# Altium PCB JacdacMicroBitBackPackHi 119.PcbDoc (continued)
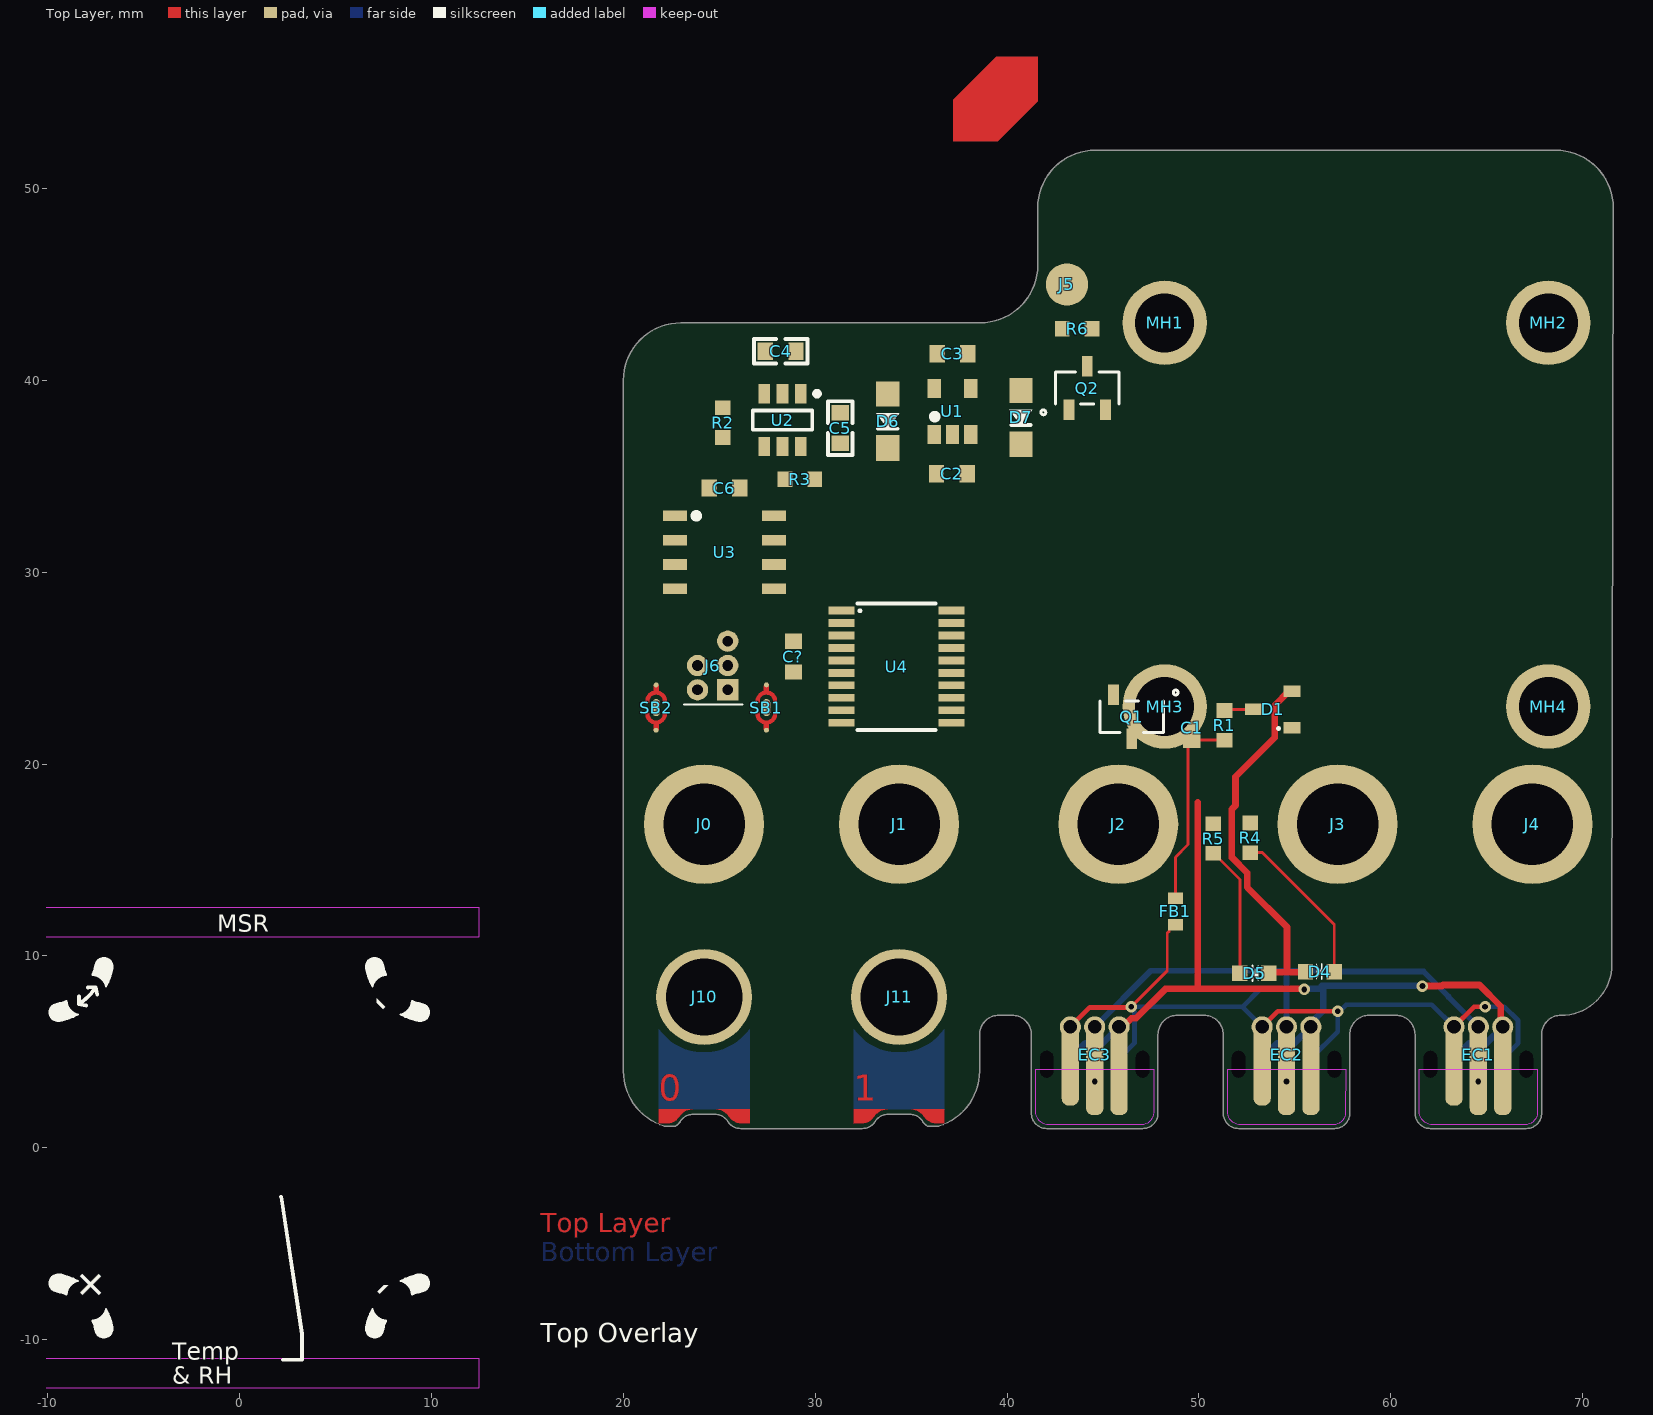
[diagram p0: Top Layer view]
## Footprints (in the part's own frame and the unit in brackets; to place one, negate y for a bottom-side part, rotate by r counter-clockwise, add the part's x,y. Pads: shape width x height; smd on the part's side, far side on the other; paste and mask are expansions set on the pad) (continued)
  silkscreen extent -95,-55 65,33, body extent -60,-52 60,52, height 44
"TDK MPZ1608 0.8mm - without outline" [mm]
  rect 0.6x0.8 smd paste-0.1: 1(-0.7,0) 2(0.7,0)
  body extent -0.8,-0.4 0.8,0.4, height 0.8
ThreeWaySolderBlob [mil] "Three way open solder blob, 'ball and socket' style"
  round 1 smd paste-10 mask-1: 1(-19.93,0.05) 1(-16.39,-3.5) 1(-16.39,3.6) 3(76.31,-3.55) 3(76.31,3.55) 3(79.86,0)
  oval 10x10.01 smd paste-10 mask-2: 1(-16.56,0.08) 3(76.49,-0.03)
  oval 35x16 smd: 2(30,0)
  Top Layer region: 74.84,5.01 77.02,4.52 78.76,3.13 79.73,1.12 79.73,-1.12 78.76,-3.13 77.02,-4.52 74.84,-5.01 74.84,-5.02 64.28,-5.02 60,-13.79 52.36,-19.85 42.84,-22.01 42.84,-22.02 41.3,-21.71 40,-20.84 39.13,-19.54 38.83,-18 38.82,-18 39.13,-16.46 40,-15.16 41.3,-14.29 42.84,-13.99 42.84,-13.99 48.19,-12.92 52.73,-9.89 55.76,-5.35 56.83,0 56.82,0 55.76,5.35 52.73,9.89 48.19,12.92 42.84,13.99 42.84,13.98 41.3,14.29 40,15.16 39.13,16.46 38.83,18 38.82,18 39.13,19.54 40,20.84 41.3,21.71 42.84,22.01 42.84,22.01 52.36,19.85 60,13.79 64.28,5.02 64.28,5.01
  Top Layer region: -14.92,-3.79 -16.39,-3.5 -17.63,-2.66 -18.47,-1.42 -18.76,0.05 -18.76,0.05 -18.47,1.52 -17.63,2.77 -16.39,3.6 -14.92,3.89 -14.92,3.89 -13.45,3.6 -12.2,2.77 -11.37,1.52 -11.08,0.05 -11.08,0.05 -11.37,-1.42 -12.2,-2.66 -13.45,-3.5 -14.92,-3.79
  Top Layer region: -14.92,-4.96 -17.09,-4.47 -18.84,-3.08 -19.81,-1.07 -19.81,1.17 -18.84,3.18 -17.09,4.57 -14.92,5.07 -14.92,5.07 -4.35,5.07 -0.08,13.84 7.57,19.9 17.08,22.07 17.08,22.07 18.62,21.76 19.92,20.89 20.79,19.59 21.1,18.05 21.1,18.05 20.79,16.51 19.92,15.21 18.62,14.34 17.08,14.04 17.08,14.04 11.73,12.97 7.19,9.94 4.16,5.4 3.1,0.05 3.1,0.05 4.16,-5.3 7.19,-9.84 11.73,-12.87 17.08,-13.93 17.08,-13.93 18.62,-14.24 19.92,-15.11 20.79,-16.41 21.1,-17.95 21.1,-17.95 20.79,-19.49 19.92,-20.79 18.62,-21.66 17.08,-21.96 17.08,-21.96 7.57,-19.8 -0.08,-13.74 -4.35,-4.96 -4.35,-4.96
  Top Layer region: 74.84,3.84 76.31,3.55 77.56,2.72 78.39,1.47 78.68,0 78.68,0 78.39,-1.47 77.56,-2.72 76.31,-3.55 74.84,-3.84 74.84,-3.84 73.37,-3.55 72.12,-2.72 71.29,-1.47 71,0 71,0 71.29,1.47 72.12,2.72 73.37,3.55 74.84,3.84
TI-TPS2553 [mm] "SOT23, 6-Leads, Body 2.90x2.80mm, Pitch 0.95mm, IPC Medium Density"
  rect 1x0.6 smd: 1(-1.375,0.95) 2(-1.375,0) 3(-1.375,-0.95) 4(1.375,-0.95) 5(1.375,0) 6(1.375,0.95)
  silkscreen extent -1.5,-1.55 0.5,1.93, body extent -1.52,-1.52 1.53,1.53, height 1.1
"TVS 0402 - XL" [mm] "TVS 0402 RoHS"
  rect 0.6x0.7 smd paste-0.06 mask+0.05: 1(-0.45,0) 2(0.45,0)
  body extent -0.5,-0.3 0.5,0.3, height 0.5

## Part data
C1: library part CC0603JRNPO9BN330, "33pF 0603 100V C0G/NPO", Capacitance=33pF, Case Code (Imperial)=0603, Case Code (Metric)=1608, Dielectric=C0G, Manufacturer=Yageo, Max Operating Temperature=125°C, Min Operating Temperature=-55°C, Tolerance=5%, Voltage Rating=100V, Case/Package=0603, Category="Ceramic Capacitors", ComponentLink1Description="Online datasheet", ComponentLink1URL=https://datasheet.ciiva.com/13207/upy-gp-np0-16v-to-50v-8-13207786.pdf, Composition=Ceramic, Depth=0.8mm, Height=0.8mm, Lead Free="Lead Free", Length=1.6mm, Manufacturer 1=Yageo, Manufacturer Part Number=CC0603JRNPO9BN330, Manufacturer Part Number 1=CC0603JRNPO9BN330, Mount="Surface Mount", Packaging="Tape and Reel", RoHS=Yes, Supplier 1=Digi-Key, Termination=SMD/SMT, Thickness=0.035inch, Voltage Rating (DC)=100V, Weight=7.1E-05oz, Width=0.8mm
C2 C3 C6 C?: library part CL10A105KO8NNNC, "SMD Multilayer Ceramic Capacitor, 1 µF, 16 V, 0603 [1608 Metric], ± 10%, X5R, CL Series", Capacitance=1uF, Case Code (Imperial)=0603, Case Code (Metric)=1608, Dielectric=X5R, Manufacturer=Samsung, Max Operating Temperature=85°C, Min Operating Temperature=-55°C, Package Quantity=1, Supplier Part Number 1=1276-1034-1-ND, Tolerance=10%, Voltage=16V, Case/Package=0603, Category="Ceramic Capacitors", ComponentLink1Description="Online datasheet", ComponentLink1URL=https://datasheet.lcsc.com/lcsc/1811021622_Samsung-Electro-Mechanics-CL10A105KO8NNNC_C1592.pdfq, Construction=Flat, Contact Plating=Tin, Depth=0.8mm, Height=0.8mm, Lead Free="Lead Free", Length=1.6mm, Manufacturer 1=Samsung, Manufacturer Part Number=CL10A105KO8NNNC, Manufacturer Part Number 1=CL10A105KO8NNNC, Material=Ceramic, Mount="Surface Mount", Packaging="Tape and Reel", Pricing 1="1=0.10000, 10=0.03600, 50=0.01960, 100=0.01600, 500=0.01144, 1000=0.00898 (USD)", Radiation Hardening=No, RoHS=Yes, RoHS Compliant=Yes, Series=CL, Stock 1=3575337, Supplier 1=Digi-Key, Supplier 2=Farnell, Supplier 3=RSComponents, Supplier 4=Mouser, Supplier 5=LCSC, Supplier Part Number 2=3013384, Supplier Part Number 3=7664780, Supplier Part Number 4=187-CL10A105KO8NNNC, Supplier Part Number 5=C1592, Thickness=0.035inch, Voltage Rating=16V, Voltage Rating (DC)=16V, Width=0.031inch
C4 C5: "CAP CER 4.7UF 10V X5R 0603", Capacitance=4.7uF, Case Code (Imperial)=0603, Case Code (Metric)=1608, Dielectric=X5R, Manufacturer=Samsung, Max Operating Temperature=85°C, Min Operating Temperature=-55°C, Package Quantity=1, Supplier Part Number 1=3013398, Tolerance=10%, Voltage Rating=10V, Case/Package=0603, Category="Ceramic Capacitors", Checked By=?, ComponentLink1Description="Online datasheet", ComponentLink1URL=https://datasheet.ciiva.com/25797/cl10a475kp8nnnc-25797520.pdf, Construction=Flat, Contact Plating=Tin, Created By="D Gakure", Depth=0.8mm, Height=0.8mm, Length=1.6mm, Manufacturer Part Number=CL10A475KP8NNNC, Mount="Surface Mount", Packaging="Tape and Reel", Pricing 1="10=0.02700, 100=0.02160, 500=0.01580, 1000=0.01310, 2000=0.01130 (GBP)", Pricing 2="1=0.10000, 10=0.04900, 50=0.02680, 100=0.02180, 500=0.01558, 1000=0.01224 (USD)", Radiation Hardening=No, RoHS=Yes, RoHS Compliant=Yes, Series=CL, Stock 1=75690, Supplier 1=Farnell, Supplier 2=Digi-Key, Supplier Part Number 2=1276-1044-1-ND, Thickness=0.035inch, Width=0.031inch
D1: "DIODE ARRAY SCHOTTKY 30V SOT23", Manufacturer=Nexperia, Manufacturer Part Number=BAT54S,235, Supplier Part Number 1=1727-1868-1-ND, Category="Rectifier Diodes", ComponentLink1Description="NXP datasheet online", ComponentLink1URL=https://assets.nexperia.com/documents/data-sheet/BAT54_SER.pdf, Manufacturer 1=Nexperia, Manufacturer Part Number 1=BAT54S,235, Pricing 1="1=0.13000, 10=0.11900, 100=0.05610, 500=0.03326, 1000=0.02185, 5000=0.02138 (USD)", RoHS=No, Stock 1=14011, Supplier 1=Digi-Key, Supplier 2=Mouser, Supplier 3=RSComponents, Supplier Part Number 2=771-BAT54S235, Supplier Part Number 3=1707990
D2 D3: "Bidirectional 5V (Max) 6V 16V 3.5A (8/20us) 0402 TVS RoHS", Manufacturer="Born Semiconductor", Package=0402, Supplier1 Part Number=C316043, Checked By=?, ComponentLink1Description="Online datasheet", ComponentLink1URL=https://datasheet.lcsc.com/szlcsc/Bourne-Semicon-Shenzhen-RCLAMP0521P-N_C316043.pdf, Created By="D Gakure", Manufacturer 1="Born Semiconductor", Manufacturer Part Number=RCLAMP0521P-N, Manufacturer Part Number 1=RCLAMP0521P-N, Supplier1=LCSC
D4: library part 19-217/S2C-AQ1R1B/3T, "LED ORANGE DIFFUSED 0603 SMD", Case Code (Imperial)=0603, Color=Orange, Manufacturer="Everlight Elec", Supplier 1 Part Number=C146215, Case/Package=0603, Colour=Orange, ComponentLink1Description="Online datasheet", ComponentLink1URL=https://datasheet.lcsc.com/lcsc/1912171731_Everlight-Elec-19-217-S2C-AQ1R1B-3T_C146215.pdf, Manufacturer Part Number=19-217/S2C-AQ1R1B/3T, Mount="Surface Mount", Supplier 1=LCSC
D5: library part 19-217/GHC-YR1S2/3T, "LED GREEN DIFFUSED 0603 SMD", Case Code (Imperial)=0603, Color=Green, Manufacturer="Everlight Elec", Supplier 1 Part Number=C72043, Case/Package=0603, Colour=Green, ComponentLink1Description="Online datasheet", ComponentLink1URL=https://datasheet.lcsc.com/lcsc/1811101510_Everlight-Elec-19-217-GHC-YR1S2-3T_C72043.pdf, Manufacturer Part Number=19-217/GHC-YR1S2/3T, Mount="Surface Mount", Supplier 1=LCSC
D6 D7: "NEXPERIA - PMEG2010ER,115 - DIODE, RECT SCH, 20V, 1A, SOD123W", Manufacturer=Nexperia, Supplier Part Number 1=1727-5192-1-ND, ComponentLink1Description="Online datasheet", ComponentLink1URL=http://www.farnell.com/datasheets/1383341.pdf, Manufacturer Part Number=PMEG2010ER,115, Pricing 1="1=0.42000, 10=0.31300, 100=0.19480, 500=0.13328, 1000=0.10252 (USD)", Pricing 2="3000=0.20000, 6000=0.16300, 9000=0.16200, 12000=0.16100, 15000=0.16000 (USD)", Pricing 3="50=0.32100, 100=0.26700, 250=0.21200, 500=0.11100, 1000=0.08200 (USD)", Pricing 4="1=0.37000, 10=0.25700, 50=0.25700, 100=0.13400, 1000=0.09400, 10000=0.07200 (USD)", Pricing 5="5=0.40400, 10=0.27600, 100=0.13400, 500=0.11500, 1000=0.07750 (GBP)", RoHS=Yes, RoHS Compliant=Yes, Stock 1=722, Stock 2=144000, Stock 3=1, Stock 4=2146, Stock 5=24250, Supplier 1=Digi-Key, Supplier 2="Future Electronics", Supplier 3=RSComponents, Supplier 4=Mouser, Supplier 5=Farnell, Supplier Part Number 2=4222907, Supplier Part Number 3=8166824P, Supplier Part Number 4=771-PMEG2010ER115, Supplier Part Number 5=1907681
EC1 EC2 EC3: library part "Jacdac edge connector", "3 pin Jacdac edge connector 1.27mm pitch", Manufacturer Part Number=JACDAC_EDGE_CONNECTOR, Checked By=?, ComponentLink1Description="Yuliang JACDAC cable connector drawing online", ComponentLink1URL=https://github.com/microsoft/jacdac-mdk/blob/main/connector/JACDAC-Connector-by-Yuliang-2020-11-28.pdf, ComponentLink2Description="JACDAC PCB edge connector spec onlin", ComponentLink2URL=https://github.com/microsoft/jacdac-mdk/blob/main/connector/JACDAC_PCB_Edge_Connector_Drawing_JD-PEC-01_rev_01.pdf, Created By="D. Gakure", PCB Type="1.6mm FR4"
FB1: "0603 1k@100MHz 0.8A chip", Case Code (Imperial)=0603, Case Code (Metric)=1608, Current Rating=800mA, DC Resistance (DCR)=300mR, Manufacturer=TDK, Manufacturer Part Number=MPZ1608S102ATA00, Package Quantity=4000, Supplier Part Number 1=445-8694-1-ND, Tolerance=25%, Case/Package=0603, ComponentLink2Description="datasheet online", ComponentLink2URL=https://www.mouser.co.uk/datasheet/2/400/eads_commercial_power_mpz1608_en-923650.pdf, ComponentLink3Description=datasheet, ComponentLink3URL="Y:\System\Altium\Libraries 2014\TDK\Datasheets\eads_commercial_power_mpz1608_en-923650.pdf", Core Material=Ferrite, Height=0.037inch, Impedance="1kR @ 100MHz", Length=0.063inch, Manufacturer 1=TDK, Manufacturer Part Number 1=MPZ1608S102ATA00, Max DC Current=800mA, Mount="Surface Mount", Packaging="Tape and Reel", Pricing 1="1=0.1, 10=0.079, 25=0.0716, 50=0.0644, 100=0.0472, 250=0.03432, 500=0.03146, 1000=0.02717 (USD)", Stock 1=113542, Supplier 1=Digi-Key, Supplier 2=Mouser, Supplier Part Number 2=810-MPZ1608S102ATA00, Width=0.031inch
J0 J1 J3 J4: library part SMTSO-M3-3ET, "Standoff Round Swage F/F M3 X 0.5-THD Carbon Steel Electro-Tin ASTM B545 Automotive", Manufacturer=PennEngineering, Supplier Part Number 1=153-SMTSO-M3-3ET, Diameter=M3, Manufacturer 1=PennEngineering, Manufacturer Part Number=SMTSO-M3-3ET, Manufacturer Part Number 1=SMTSO-M3-3ET, RoHS=No, Standoff Height=3mm, Supplier 1=Mouser
J2: library part SMTSO-M3-2ET, "Standoff Round Swage F/F M3 X 0.5-THD Carbon Steel Electro-Tin ASTM B545 Automotive", Manufacturer=PennEngineering, Supplier Part Number 1=153-SMTSO-M3-2ET, Diameter=M3, Manufacturer 1=PennEngineering, Manufacturer Part Number=SMTSO-M3-2ET, Manufacturer Part Number 1=SMTSO-M3-2ET, RoHS=No, Standoff Height=2mm, Supplier 1=Mouser
J5: library part HARWIN-P70-1000045R, "Spring Loaded Contact, Pin, 2.9mm, SMT", Current Rating=2A, Manufacturer=Harwin, Manufacturer Part Number=P70-1000045R, Supplier Part Number 1=952-3127-1-ND, Category=Connectors, ComponentLink1Description="Harwin drawing online", ComponentLink1URL=https://cdn.harwin.com/pdfs/P70-10X.pdf, ComponentLink2Description="Harwin catalogue page online", ComponentLink2URL=http://www.farnell.com/datasheets/2151575.pdf, Length=3.5mm, Manufacturer 1=Harwin, Manufacturer Part Number 1=P70-1000045R, Material=Brass, Mount="Surface Mount", Plating=Gold, Pricing 1="1=1.02000, 10=0.85900, 25=0.82400, 50=0.80660, 100=0.77150, 250=0.70140, 500=0.63126 (USD)", REACH SVHC="No SVHC", RoHS=Yes, RoHS Compliant=Yes, Stock 1=1152, Supplier 1=Digi-Key, Supplier 2=Farnell, Supplier 3=Mouser, Supplier Part Number 2=2664910, Supplier Part Number 3=855-P70-1000045R, Working Height=2.9mm
J6: library part HACK_CONNECT_MINI
J10: library part "micro:bit edge connector ring P0", "One ring like those on the micro:bit edge connector, designed to take a 4mm banana plug"
J11: library part "micro:bit edge connector ring P1", "One ring like those on the micro:bit edge connector, designed to take a 4mm banana plug"
MH1 MH2 MH3 MH4: "Mounting Hole 7.0mm keepout, 4.4mm annualar ring and 3.1mm Drill PTH", Annular Ring=4.4mm, Hole Clearance=7.0mm, Hole Diameter=3.1mm, Hole Size=M3, Hole Type=PTH
Q1 Q2: "MOSFET Transistor, N Channel, 300 mA, 60 V, 2 ohm, 10 V, 2.5 V", Case/Package=SOT-23, Continuous Drain Current (ID)=300mA, Drain to Source Breakdown Voltage=60V, Drain to Source Resistance=2R, Gate to Source Voltage (Vgs)=20V, Input Capacitance=50pF, Manufacturer="ON Semiconductor / Fairchild", Max Operating Temperature=150°C, Max Power Dissipation=350mW, Min Operating Temperature=-55°C, Package Quantity=1, Supplier Part Number 1=2N7002KCT-ND, Threshold Voltage=2.5V, Category=MOSFETs, Checked By=?, ComponentLink1Description="Online datasheet", ComponentLink1URL=https://www.onsemi.com/pdf/datasheet/2n7002k-d.pdf, Contact Plating=Tin,Matte, Created By="D. Gakure", Drain to Source Voltage (Vdss)=60V, Drain-source On Resistance-Max=2R, Element Configuration=Single, Height=1.2mm, Lead Free="Lead Free", Length=2.92mm, Manufacturer Part Number=2N7002K, Mount="Surface Mount", Number of Elements=1, Number of Pins=3, On-State Resistance=2R, Packaging="Tape and Reel", Polarity=N-CHANNEL, Power Dissipation=350mW, Pricing 1="1=0.40000, 10=0.32500, 25=0.27240, 100=0.17240, 500=0.11344, 1000=0.07714 (USD)", Pricing 2="1=0.40000, 10=0.27300, 50=0.27300, 100=0.13400, 1000=0.07800, 10000=0.05100 (USD)", Pricing 3="5=0.34800, 10=0.23500, 100=0.09100, 500=0.05850, 3000=0.04630, 9000=0.03860, 24000=0.03750, 45000=0.03530 (GBP)", Radiation Hardening=No, Rds On Max=2R, REACH SVHC="No SVHC", RoHS=Yes, Stock 1=53564, Stock 2=111825, Stock 3=101059, Supplier 1=Digi-Key, Supplier 2=Mouser, Supplier 3=Farnell, Supplier Part Number 2=512-2N7002K, Supplier Part Number 3=2453382, Turn-Off Delay Time=30ns, Turn-On Delay Time=5ns, Voltage=60V, Width=1.3mm
R1 R2: library part RC0603FR-07220RL, "Res Thick Film 0603 220 Ohm 1% 0.1W(1/10W) ±100ppm/°C Pad SMD T/R", Case Code (Imperial)=0603, Case Code (Metric)=1608, Manufacturer="= Manufacturer 1", Manufacturer 1=Yageo, Manufacturer Part Number="= Manufacturer Part Number 1", Max Operating Temperature=155°C, Max Power Dissipation=100mW, Min Operating Temperature=-55°C, Package Quantity=1, Resistance Tolerance=1%, Resistor Type="Thick Film", Supplier Part Number 1=311-220HRCT-ND, Temperature Coefficient=100ppm/°C, Voltage Rating=50V, Case/Package=0603, Category="Chip SMD Resistors", ComponentLink4Description="online datasheet", ComponentLink4URL=https://datasheet.ciiva.com/46395/443971-46395002.pdf, Construction=Rectangular, Depth=0.8mm, Features="Moisture Resistant", Height=0.022inch, Lead Free="Lead Free", Length=1.6mm, Manufacturer Part Number 1=RC0603FR-07220RL, Military Standard=Not, Number of Pins=2, Number of Terminations=2, Packaging="Tape and Reel", Power Rating=100mW, Pricing 1="1=0.10000, 10=0.02300, 100=0.00930, 1000=0.00417, 2500=0.00362 (USD)", REACH SVHC="No SVHC", Resistance=220R, RoHS=Yes, RoHS Compliant=Yes, Series=RC, Size Code=0603, Stock 1=1257522, Supplier 1=Digi-Key, Supplier 2=Farnell, Supplier 3=Mouser, Supplier 4=RSComponents, Supplier Part Number 2=2421863, Supplier Part Number 3=603-RC0603FR-07220RL, Supplier Part Number 4=1995497, Termination=SMD/SMT, Tolerance=1%, Voltage Rating (DC)=50V, Width=0.031inch
R3: library part RC0603FR-0728K7L, "Res Thick Film 0603 28.7k Ohm 1% 0.1W(1/10W) ±100ppm/C Pad SMD T/R", Case Code (Imperial)=0603, Case Code (Metric)=1608, Manufacturer=Yageo, Max Operating Temperature=155°C, Max Power Dissipation=100mW, Min Operating Temperature=-55°C, Package Quantity=1, Resistance=28.7kR, Resistor Type="Thick Film", Supplier Part Number 1=311-28.7KHRCT-ND, Temperature Coefficient=100ppm/°C, Tolerance=1%, Voltage Rating=50V, Case/Package=0603, Category="Chip SMD Resistors", ComponentLink5Description="onilne datasheet", ComponentLink5URL=https://datasheet.ciiva.com/2553/pyu-r-int-thick-7-2553533.pdf, Construction=Rectangular, Depth=0.8mm, Features="Moisture Resistant", Height=0.022inch, Lead Free="Lead Free", Length=1.6mm, Manufacturer 1=Yageo, Manufacturer Part Number=RC0603FR-0728K7L, Manufacturer Part Number 1=RC0603FR-0728K7L, Military Standard=Not, Mount="Surface Mount", Number of Terminations=2, Packaging="Tape and Reel", Power Rating=100mW, Pricing 1="1=0.10000, 10=0.02300, 100=0.00930, 1000=0.00417, 2500=0.00362 (USD)", RoHS=Yes, RoHS Compliant=Yes, Series=RC, Size Code=0603, Stock 1=276730, Supplier 1=Digi-Key, Supplier 2=Farnell, Supplier 3=Mouser, Supplier 4=RSComponents, Supplier Part Number 2=3951071, Supplier Part Number 3=603-RC0603FR-0728K7L, Supplier Part Number 4=505-1003, Technology="THICK FILM", Termination=SMD/SMT, Voltage Rating (DC)=50V, Width=0.031inch
R4 R5: library part RC0603FR-071KL, "Res Thick Film 0603 1K Ohm 1% 1/10W ±100ppm/°C Molded SMD SMD Paper T/R", Case Code (Imperial)=0603, Case Code (Metric)=1608, Manufacturer="= Manufacturer 1", Manufacturer 1=Yageo, Manufacturer Part Number="= Manufacturer Part Number 1", Max Operating Temperature=155°C, Max Power Dissipation=100mW, Min Operating Temperature=-55°C, Resistance=1kR, Resistance Tolerance=1%, Resistor Type="Thick Film", Supplier Part Number 1=311-1.00KHRCT-ND, Temperature Coefficient=100ppm/°C, Voltage Rating=50V, Case/Package=0603, Category="Chip SMD Resistors", ComponentLink4Description="online datasheet", ComponentLink4URL=https://datasheet.ciiva.com/46395/443971-46395002.pdf, Construction=Rectangular, Contact Plating=Tin,Matte, Depth=0.8mm, Features="Moisture Resistant", Height=0.45mm, Lead Free="Lead Free", Length=1.6mm, Manufacturer Part Number 1=RC0603FR-071KL, Military Standard=Not, Number of Terminations=2, Packaging="Tape and Reel", Power Rating=100mW, Pricing 1="1=0.10000, 10=0.02300, 100=0.00930, 1000=0.00417, 2500=0.00362 (USD)", Radiation Hardening=No, REACH SVHC="No SVHC", RoHS=Yes, RoHS Compliant=Yes, Series=RC, Size Code=0603, Stock 1=7298696, Supplier 1=Digi-Key, Supplier 2=Farnell, Supplier 3=Mouser, Supplier 4=RSComponents, Supplier Part Number 2=2421849, Supplier Part Number 3=603-RC0603FR-071KL, Supplier Part Number 4=1995478, Technology="THICK FILM", Termination=SMD/SMT, Tolerance=1%
R6: "RES SMD 20 OHM 1% 1/10W 0603", Case Code (Imperial)=0603, Case Code (Metric)=1608, Manufacturer=Yageo, Max Operating Temperature=155°C, Max Power Dissipation=100mW, Min Operating Temperature=-55°C, Package Quantity=1, Resistance=20R, Resistance Tolerance=1%, Resistor Type="Thick Film", Supplier Part Number 1=311-20.0HRCT-ND, Temperature Coefficient=100ppm/°C, Voltage Rating=50V, Working Voltage=75V, Case/Package=0603, Category="Chip SMD Resistors", ComponentLink1Description="Online datasheet", ComponentLink1URL=https://datasheet.ciiva.com/11819/0900766b80f96399-11819290.pdf, Construction=Rectangular, Created By="D. Gakure", Depth=0.8mm, Features="Moisture Resistant", Height=0.45mm, Lead Free="Lead Free", Length=1.6mm, Manufacturer Part Number=RC0603FR-0720RL, Military Standard=Not, Number of Terminations=2, Packaging="Tape and Reel", Power Rating=100mW, Pricing 1="1=0.10000, 10=0.02100, 100=0.00840, 1000=0.00379, 2500=0.00329 (USD)", Pricing 2="1=0.10000, 10=0.01800, 50=0.01800, 100=0.00600, 1000=0.00500, 10000=0.00300 (USD)", Pricing 3="10=0.01820, 100=0.00650, 500=0.00550, 1000=0.00450, 2500=0.00390, 5000=0.00360, 25000=0.00330 (GBP)", REACH SVHC="No SVHC", RoHS=Yes, RoHS Compliant=Yes, Series=RC, Stock 1=2002412, Stock 2=238682, Stock 3=229990, Supplier 1=Digi-Key, Supplier 2=Mouser, Supplier 3=Farnell, Supplier Part Number 2=603-RC0603FR-0720RL, Supplier Part Number 3=3495766, Technology="THICK FILM", Termination=SMD/SMT, Tolerance=1%, Voltage Rating (DC)=50V, Width=0.8mm
SB1 SB2: library part ThreeWaySolderBlob
U1: "6V 260mV @ 200mA(typ) - - Fixed 3.3V SOT-23-5 Linear Voltage Regulators (LDO) ROHS", Case/Package=SOT-23-5, Dropout Voltage=200mV, Manufacturer="MICRONE(Nanjing Micro One Elec)", Max Input Voltage=6, Min Output Voltage=3.3V, Output Current=500mA, Supplier Part Number=C82942, Category="Voltage Regulators - Linear", ComponentLink3Description="On Semi datasheet online", ComponentLink3URL=https://datasheet.lcsc.com/lcsc/1811131510_MICRONE-Nanjing-Micro-One-Elec-ME6211C33M5G-N_C82942.pdf, Created=DG, Manufacturer 1="MICRONE(Nanjing Micro One Elec)", Manufacturer Part Number=ME6211C33M5G-N, Manufacturer Part Number 1=ME6211C33M5G-N, Mount="Surface Mount", Number of Regulators=1, Output Configuration=Positive, Output Type=Fixed, Pricing 1="1=0.33000, 10=0.24900, 25=0.21760, 100=0.12440, 250=0.11664, 500=0.09330, 1000=0.07153 (USD)", Stock 1=32529, Supplier 1=LCSC
U2: "IC PWR SWITCH N-CHAN 1:1 SOT23-6", Case/Package=SOT-23, Manufacturer="Texas Instruments", Max Input Voltage=6.5V, Max Operating Temperature=85°C, Max Power Dissipation=625mW, Min Input Voltage=2.5V, Min Operating Temperature=-40°C, On-State Resistance=85mR, Output Current=1.5A, Package Quantity=1, Supplier Part Number 1=296-32464-1-ND, Category="Hot Swap Controllers", ComponentLink1Description="Online datasheet", ComponentLink1URL=https://datasheet.ciiva.com/15108/getdatasheetpartid-297517-15108509.pdf, Lead Free="Lead Free", Manufacturer Part Number=TPS2553DBVR, Max Supply Voltage=6.5V, Min Supply Voltage=2.5V, Number of Outputs=1, Number of Pins=6, Packaging="Tape and Reel", Pricing 1="1=1.20000, 10=1.07100, 25=1.01640, 100=0.78050, 250=0.68972, 500=0.65340, 1000=0.50820 (USD)", Radiation Hardening=No, REACH SVHC="No SVHC", RoHS=Yes, Stock 1=14713, Supplier 1=Digi-Key, Supplier 2=Farnell, Supplier 3=Mouser, Supplier Part Number 2=3124082, Supplier Part Number 3=595-TPS2553DBVR, Weight=0.00127oz
U3: library part PFS122-SO8, "8bit MTP MCU with 12-bit ADC", Manufacturer=PADAUK, Package=SOP-8, ComponentLink1Description="Online datasheet", ComponentLink1URL=http://www.padauk.com.tw/upload/doc/PFS122%20datasheet_EN_V001_20220518.pdf, Manufacturer Part Number=PFS122-S08
U4: "ARM® Cortex®-M0+ series IC 64MHz 32KB 20-TSSOP", Manufacturer 1=STMicroelectronics, Supplier Part Number 1=497-STM32G030F6P6-ND, Supplier Part Number 10=C724040, Category=Microcontrollers, ComponentLink1Description="Online datasheet", ComponentLink1URL=https://www.st.com/resource/en/datasheet/stm32g030f6.pdf, ComponentLink2Description="Online reference manual", ComponentLink2URL=https://www.st.com/resource/en/reference_manual/rm0454-stm32g0x0-advanced-armbased-32bit-mcus-stmicroelectronics.pdf, Manufacturer Part Number 1=STM32G030F6P6, Pricing 1="1=1.85000, 10=1.65300, 74=1.56905, 148=1.28892, 296=1.20486, 444=1.06475, 962=0.93400 (USD)", RoHS=Yes, RoHS Compliant=Yes, Supplier 1=Digi-Key, Supplier 2=Farnell, Supplier 3=Mouser, Supplier 10=LCSC, Supplier Part Number 2=3294301, Supplier Part Number 3=511-STM32G030F6P6

## Via types
v1: diameter 0.6, hole 0.3, Top Layer to Bottom Layer, 5 vias
v2: diameter 0.6, hole 0.3, Top Layer to Bottom Layer, tented both sides, 3 vias

## Nets (pads, with @x,y where several pads share a name; then routed paths per layer and width w, separated by ;. In a path a pad name is that pad's centre, name@x,y a point inside that pad or via, vN(x,y) a via of type N, cw(c..) or ccw(c..) an arc to the next point about the centre after c; other vN are vias at no path point)
3V3: C?.2 D1.2 D4.2 D5.2 J6.1 U4.4 | length 19.2
  Top Layer w0.35: D5.2 53.676,9.14 54.596,9.14 ; D1.2 54.703,23.802 53.955,23.054 53.955,21.38 51.91,19.335 51.91,17.843 51.717,17.651 51.717,15.131 52.524,14.325 52.524,13.573 54.596,11.501 54.596,9.14 ; D4.2 55.516,9.14 54.596,9.14
AN: U4.12
GND: C1.1 C2.1 C3.1 C4.1 C5.1 C6.1 C?.1 D1.1 D2.2 D3.2 EC1.2 EC2.2 EC3.2 J4.1 J6.3 MH2.1 MH4.1 Q1.2 Q2.2 R3.1 U1.2 U2.2 U3.8 U4.5 | length 25.4
  Bottom Layer w0.3: EC3.2@44.569,6.3 47.494,9.225 D2.2@53.236,9.225 ; D2.2 53.876,9.15 53.957,9.231 54.261,9.231 54.596,9.231 ; EC2.2@54.569,6.3 54.569,9.203 54.596,9.231 ; EC1.2@64.569,6.3 63.012,7.857 63.012,7.885 61.716,9.181 56.457,9.181 D3.2 54.596,9.231
  other v2: 44.569,3.45 54.569,3.45 64.569,3.45
ICPCK/SWCLK: J6.4 U3.6 U4.19
ILIM_EN: Q1.1 R2.1 U3.5
INT: U4.3
JD_DATA: D2.1 EC1.1 EC2.1 EC3.1 FB1.1 MH1.1 | length 44
  Top Layer w0.15: v1(46.474,7.347) 48.352,9.225 48.352,11.185 48.456,11.289 48.456,11.389 48.681,11.614 FB1.1
  Top Layer w0.25: EC3.1@43.299,6.3 44.31,7.311 46.438,7.311 v1(46.474,7.347) ; EC2.1@53.299,6.3 54.111,7.112 v1(57.237,7.112) ; EC1.1@63.299,6.3 64.346,7.347 v1(64.916,7.347)
  Bottom Layer w0.25: EC3.1@45.839,3.65 45.839,4.65 46.639,5.45 46.639,7.088 46.474,7.253 v1(46.474,7.347) 52.252,7.347 ; D2.1 53.186,8.25 52.283,7.347 52.252,7.347 ; EC2.1@53.299,6.3 52.252,7.347 ; EC2.1@55.839,3.65 55.839,4.65 57.237,6.048 v1(57.237,7.112) 57.332,7.112 57.675,7.455 62.144,7.455 EC1.1@63.299,6.3 ; v1(64.916,7.347) 65.923,7.347 66.639,6.631 66.639,5.45 65.839,4.65 EC1.1@65.839,3.65
JD_DATA_MCU/ICPDA: D1.3 J2.1 J6.2 R1.2 U3.2 U4.20 | length 1.5
  Top Layer w0.15: R1.2 51.392,22.852 D1.3
JD_PWR: C2.2 D3.1 D6.1 EC1.3 EC2.3 EC3.3 MH3.1 U1.1 U1.3 | length 47.7
  Top Layer w0.35: EC3.3@45.839,6.3 46.042,6.3 46.489,6.747 46.723,6.747 48.256,8.281 49.94,8.281 ; 49.94,18.006 49.94,8.281 ; v1(55.489,8.251) 55.459,8.281 49.94,8.281 ; v1(61.656,8.428) 62.672,8.428 62.73,8.487 64.626,8.487 65.737,7.375 65.737,6.402 EC1.3@65.839,6.3
  Bottom Layer w0.35: EC3.3@43.299,3.4 43.299,4.65 44.099,5.45 44.989,5.45 EC3.3@45.617,6.078 ; EC3.3@45.839,6.3 EC3.3@45.983,6.444 ; EC2.3@53.299,3.4 53.299,4.65 54.099,5.45 54.989,5.45 55.839,6.3 55.839,6.503 56.481,7.145 D3.1@56.481,8.359 ; v1(55.489,8.251) 55.529,8.291 56.367,8.291 D3.1 ; D3.1@56.4,8.44 61.644,8.44 v1(61.656,8.428) ; EC1.3@63.299,3.4 63.299,4.65 64.099,5.45 64.989,5.45 EC1.3@65.839,6.3
JD_STATUS/ICVPP: J6.5 R4.2 U3.3 U4.2
MISO: U4.13
NetC1_2: C1.2 FB1.2 R1.1 | length 10.3
  Top Layer w0.15: FB1.2 48.781,15.138 49.441,15.799 49.441,21.077 49.492,21.128 C1.2 ; C1.2@49.619,21.245 R1.1
NetC3_2: C3.2 D7.2 U1.5
NetC5_2: C5.2 D6.2 U2.6
NetD4_1: D4.1 R4.1 | length 8.4
  Top Layer w0.15: R4.1 53.312,15.38 57.057,11.635 D4.1
NetD5_1: D5.1 R5.1 | length 6.8
  Top Layer w0.15: R5.1 50.78,15.341 52.136,13.985 D5.1
NetJ0_1: J0.1 J10.1
NetJ1_1: J1.1 J11.1
NetQ1_3: Q1.3 R5.2
NetQ2_3: Q2.3 R6.1
NetR2_2: R2.2 U2.3 U2.4
NetR3_2: R3.2 U2.5
nRESET: U4.6
PWM: U4.11
RGB_B: U4.1
RGB_G: U4.14
RGB_R: U4.15
RST: U4.7
RX/CS: U4.10
SCK: U4.8
SCL: U4.16
SDA: U4.17
SWDIO: U4.18
TX/MOSI: U4.9
USB_KEEP_ALIVE: Q2.1 U3.7
VBIT: C6.2 D7.1 J3.1 U3.1
VUSB: C4.2 J5.1 R6.2 U2.1
pads on no net: EC1. EC2. EC3. SB1.1 SB1.2 SB1.3 SB2.1 SB2.2 SB2.3 U1.4 U3.4

## Polygon pours and split planes (outlines as drawn)
no net on Bottom Assy "NONET_L-01_P-001" (hatched 45Degree grid 0.3 track 0.01): -6.5,11 ccw(c-6.5,12) -5.5,12 -5.5,12.25 cw(c-5.25,12.25) -5.25,12.5 10,12.5 cw(c10,10) 12.5,10 12.5,7.554 12.503,7.554 cw(c10,10) 6.646,11
no net on Bottom Assy "NONET_L-01_P-001" (hatched 45Degree grid 0.15 track 0.01): 8.342,12.5 ccw(c10,10) 12.5,8.342 12.5,10 ccw(c10,10) 10,12.5
no net on Bottom Assy "NONET_L-01_P-001" (hatched 45Degree grid 0.15 track 0.01): 8.342,-12.5 10,-12.5 ccw(c10,-10) 12.5,-10 12.5,-8.342 ccw(c10,-10)
no net on Bottom Assy "NONET_L-01_P-001" (hatched 45Degree grid 0.15 track 0.01): -12.5,-8.342 cw(c-10,-10) -8.342,-12.5 -10,-12.5 cw(c-10,-10) -12.5,-10
no net on Bottom Assy "NONET_L-01_P-001" (hatched 45Degree grid 0.15 track 0.01): -12.5,8.342 ccw(c-10,10) -8.342,12.5 -10,12.5 ccw(c-10,10) -12.5,10
no net on Bottom Assy "NONET_L-01_P-001" (hatched 45Degree grid 0.15 track 0.01): -13.6,-2.468 ccw(c-13.2,-2.468) -13.2,-2.868 -9.3,-2.868 -9.3,2.874 -13.198,2.874 -13.2,2.874 ccw(c-13.2,2.474) -13.6,2.474 -13.6,2.477
GND on Bottom Layer "NONET_L-01_P-001" (solid, pour order 0): -12.5,-7 cw(c-11.5,-7) -11.5,-6 -9.1,-6 ccw(c-9.1,-5) -8.1,-5 -8.1,-4.3 ccw(c-9.1,-4.3) -9.1,-3.3 -13.2,-3.3 cw(c-13.2,-2.5) -14,-2.5 -14,2.5 cw(c-13.2,2.5) -13.2,3.3 -9.1,3.3 -9.098,3.3 ccw(c-9.098,4.3) -8.098,4.3 -8.1,4.3 -8.1,5 ccw(c-9.1,5) -9.1,6 -11.5,6 cw(c-11.5,7) -12.5,7 -12.5,10 cw(c-10,10) -10,12.5 -7.75,12.5 cw(c-7.75,12.25) -7.5,12.25 -7.5,12 ccw(c-6.5,12) -6.5,11 ccw(c-6.5,13.5) -5.7,11.131 -5.698,11.126 cw(c0,0) 4.947,11.48 4.946,11.479 ccw(c5.369,12.385) 6.112,11.716 6.11,11.718 6.6,12.21 6.593,12.207 cw(c7.3,11.5) 7.3,12.5 10,12.5 cw(c10,10) 12.5,10 12.5,7.3 cw(c11.5,7.3) 12.207,6.593 12.21,6.6 11.718,6.11 11.716,6.112 ccw(c12.385,5.369) 11.479,4.946 11.48,4.947 cw(c0,0) 11.48,-4.947 11.479,-4.946 ccw(c12.385,-5.369) 11.716,-6.112 11.718,-6.11 12.21,-6.6 12.207,-6.593 cw(c11.5,-7.3) 12.5,-7.3 12.5,-10 cw(c10,-10) 10,-12.5 7.3,-12.5 cw(c7.3,-11.5) 6.593,-12.207 6.6,-12.21 6.11,-11.718 6.112,-11.716 ccw(c5.369,-12.385) 4.946,-11.479 4.947,-11.48 cw(c0,0) -4.904,-11.498 -4.946,-11.479 ccw(c-5.369,-12.385) -6.112,-11.716 -6.11,-11.718 -6.6,-12.21 -6.593,-12.207 cw(c-7.3,-11.5) -7.3,-12.5 -10,-12.5 cw(c-10,-10) -12.5,-10
no net on Fabrication Notes "NONET_L-01_P-001" (hatched 45Degree grid 0.6 track 0.01): -14.5,-7 -8,-7 -7.988,-7 -7.989,7.01 -8,7 -14.5,7 -14.489,7.01

## Keep-outs
Keep-Out Layer:
  region: 12.5,11 12.5,12.5 -12.6,12.5 -12.6,11
  region: 12.5,-12.5 12.5,-11 -12.5,-11 -12.5,-12.5

## Other copper
Top Layer:
  region net JD_DATA: 37.194,52.454 39.509,52.454 41.609,54.554 41.609,56.87 39.425,56.87 37.194,54.639
  text "Top Layer" at 15.701,-4.75 h1.7
Bottom Layer:
  text "Bottom Layer" at 15.7,-6.25 h1.7

## Silkscreen, mask and mechanical layers (free items; w line width, h text height)
Top Overlay:
  lines w0.1: -9.398,-6.607 cw(c-10.024,-10) -8.423,-6.944 ccw(c-8.229,-7.72) -9.026,-7.653 ; -9.398,6.607 ccw(c-10.024,10) -8.423,6.944 cw(c-8.229,7.72) -9.026,7.653 ; -9.376,-6.612 ccw(c-9.469,-7.052) -9.563,-7.492 cw(c-10.024,-10) -9.051,-7.643 ; -9.376,6.612 cw(c-9.469,7.052) -9.563,7.492 ccw(c-10.024,10) -9.051,7.643 ; -7.677,-9.003 ccw(c-7.744,-8.206) -6.967,-8.399 cw(c-10.024,-10) -6.631,-9.374 ; -7.677,9.003 cw(c-7.744,8.206) -6.967,8.399 ccw(c-10.024,10) -6.631,9.374 ; -7.666,-9.027 cw(c-10.024,-10) -7.516,-9.539 ccw(c-7.075,-9.446) -6.635,-9.352 ; -7.666,9.027 ccw(c-10.024,10) -7.516,9.539 cw(c-7.075,9.446) -6.635,9.352 ; 6.583,-9.374 cw(c9.976,-10) 6.92,-8.399 ; 6.583,9.374 ccw(c9.976,10) 6.92,8.399 ; 6.588,-9.352 ccw(c7.028,-9.446) 7.468,-9.539 cw(c9.976,-10) 7.619,-9.027 ; 6.588,9.352 cw(c7.028,9.446) 7.468,9.539 ccw(c9.976,10) 7.619,9.027 ; 6.92,-8.399 ccw(c7.696,-8.206) 7.629,-9.003 ; 6.92,8.399 cw(c7.696,8.206) 7.629,9.003 ; 8.979,-7.653 ccw(c8.182,-7.72) 8.376,-6.944 cw(c9.976,-10) 9.35,-6.607 ; 8.979,7.653 cw(c8.182,7.72) 8.376,6.944 ccw(c9.976,10) 9.35,6.607 ; 9.003,-7.643 cw(c9.976,-10) 9.515,-7.492 ccw(c9.422,-7.052) 9.328,-6.612 ; 9.003,7.643 ccw(c9.976,10) 9.515,7.492 cw(c9.422,7.052) 9.328,6.612
  lines w0.2: -8.376,7.884 -8.39,7.484 ; -7.997,7.408 -8.39,7.484 ; -7.907,8.345 -7.508,8.366 ; -7.424,7.975 -7.508,8.366 ; 2.161,-2.552 3.25,-9.7 3.25,-11.05 2.25,-11.05 ; -8.39,7.484 ccw(c-10.024,10) -7.508,8.366
  lines w0.33: -9.124,-7.445 cw(c-8.783,-7.302) -8.708,-6.94 ; -9.124,7.445 ccw(c-8.783,7.302) -8.708,6.94 ; -7.469,-9.1 ccw(c-7.326,-8.759) -6.963,-8.685 ; -7.469,9.1 cw(c-7.326,8.759) -6.963,8.685 ; 6.916,-8.685 ccw(c7.278,-8.759) 7.421,-9.1 ; 6.916,8.685 cw(c7.278,8.759) 7.421,9.1 ; 8.661,-6.94 cw(c8.735,-7.302) 9.076,-7.445 ; 8.661,6.94 ccw(c8.735,7.302) 9.076,7.445
  lines w1: -9.454,-7.055 cw(c-10.024,-10) -9.309,-7.086 ; -9.454,7.055 ccw(c-10.024,10) -9.309,7.086 ; -7.11,-9.285 cw(c-10.024,-10) -7.078,-9.43 ; -7.11,9.285 ccw(c-10.024,10) -7.078,9.43 ; 7.031,-9.43 cw(c9.976,-10) 7.062,-9.285 ; 7.031,9.43 ccw(c9.976,10) 7.062,9.285 ; 9.261,-7.086 cw(c9.976,-10) 9.406,-7.055 ; 9.261,7.086 ccw(c9.976,10) 9.406,7.055
  text "MSR" at -1.172,11.27 h0.9
  text "-" at 8.619,8.146 h3.5 r135
  text "-" at 8.122,-8.643 h3.5 r45
  text "+" at -7.973,-8.67 h2.8 r315
  text "Top Overlay" at 15.701,-10.475 h1.7
  text "Temp" at -3.524,-11.05 h0.9
  text "& RH" at -3.524,-12.3 h0.9
Bottom Overlay:
  drawing of 248 lines, arcs and shapes, not listed
  text "-" at 8.643,8.146 h3.5 r135
  text "Bottom Overlay" at 24.3,-4.775 h1.7
  text "'.ProjectCodename'" at 9.275,-6.527 h1
  text "'.ProjectCodenameID'-'.ProjectRevision'" at 3.55,-8.25 h1
  text "-" at 8.146,-8.643 h3.5 r45
  text "+" at -7.95,-8.67 h2.8 r315
Top Paste:
  text "Top Paste" at 24.301,-6.182 h1.7
Bottom Paste:
  text "Bottom Paste" at 24.3,-7.66 h1.7
Top Solder:
  text "Top Solder (resist)" at 24.301,-8.982 h1.7
Bottom Solder:
  text "Bottom Solder (resist)" at 24.3,-10.473 h1.7
Drill Guide:
  text "Drill Guide" at 37.725,-8.985 h1.7
Mechanical 1:
  lines w0.2: 39.594,31.764 45.746,37.916 51.898,31.764 45.746,25.612 39.594,31.764
Dimension:
  text "Dimension" at 37.725,-7.685 h1.7
Fabrication Notes:
  lines w0.01: -14.5,-7 -8,-7 ; -14.5,7 -8,7 ; -14.489,7.01 -14.488,-7 ; -7.989,7.01 -7.988,-7
  lines w0.2: -16.25,-0.2 -12.4,-2.5 -10.65,-2.5 ; -16.25,0.2 -12.4,2.5 -10.65,2.5 ; -16.25,6 -14.5,6 ; -16.24,-10.737 0,-6.644 0,-2.7
  text "no board edge pips/ / rat's teeth/mouse bites  / in this region - make  / sure board edge is clean" at -32.397,4 h1.7
  text "non-plated slots x2" at -27.221,-0.407 h1.7
  text "Fabrication Notes" at 37.725,-4.785 h1.7
  text "\"horseshoe shaped\" / board cut-out" at -27.617,-11.8 h1.7
Mechanical 9:
  circle w0.2: c34.37,16.86 r2.5
  circle w0.2: c24.21,16.86 r2.5
  circle w0.2: c57.23,16.86 r2.5
  circle w0.2: c67.39,16.86 r2.5
  circle w0.2: c45.8,16.86 r2.5
  circle w0.2: c43.125,45 r0.5
  lines w0.01: 25.77,-8.595 ccw(c23.445,-8.55) 25.77,-8.55
  lines w0.1: 22.731,10.127 22.138,10.127 cw(c23,13) 20,13 20,49 cw(c23,49) 23,52 68.6,52 cw(c68.6,49) 71.6,49 71.6,13 cw(c68.6,13) 69.451,10.123 ; 22.731,10.128 ccw(c22.302,10.785) 22.992,10.411 ; 22.991,10.411 cw(c23.629,9.957) 23.629,10.74 ; 23.629,10.739 24.78,10.739 ; 24.78,10.74 cw(c24.78,9.957) 25.418,10.411 ccw(c26.107,10.785) 26.107,10.001 ; 26.107,10 26.614,10 31.948,10 32.463,10 ; 32.463,10.001 ccw(c32.463,10.785) 33.152,10.411 cw(c33.79,9.957) 33.79,10.74 ; 33.79,10.739 34.94,10.739 ; 34.94,10.74 cw(c34.94,9.957) 35.578,10.411 ccw(c36.267,10.785) 36.267,10.001 ; 36.267,10 43.893,10 ; 43.893,10.001 ccw(c43.893,10.785) 44.582,10.411 cw(c45.22,9.957) 45.22,10.74 ; 45.22,10.739 46.37,10.739 ; 46.37,10.74 cw(c46.37,9.957) 47.008,10.411 ccw(c47.697,10.785) 47.697,10.001 ; 47.697,10 55.323,10 ; 55.323,10.001 ccw(c55.323,10.785) 56.012,10.411 cw(c56.65,9.957) 56.65,10.74 ; 56.65,10.739 57.8,10.739 ; 57.8,10.74 cw(c57.8,9.957) 58.438,10.411 ccw(c59.127,10.785) 59.127,10.001 ; 59.127,10 65.483,10 ; 65.483,10.001 ccw(c65.483,10.785) 66.172,10.411 cw(c66.81,9.957) 66.81,10.74 ; 66.81,10.739 67.96,10.739 ; 67.96,10.74 cw(c67.96,9.957) 68.598,10.411 ccw(c69.287,10.785) 68.865,10.124 ; 68.865,10.125 69.45,10.125
Board Outline:
  lines w0.2: -9.1,-3.3 -13.2,-3.3 cw(c-13.2,-2.5) -14,-2.5 -14,2.5 cw(c-13.2,2.5) -13.2,3.3 -9.1,3.3 ; -9.1,-3.3 cw(c-9.1,-4.3) -8.1,-4.3 -8.1,-5 cw(c-9.1,-5) -9.1,-6 -11.5,-6 ccw(c-11.5,-7) -12.5,-7 -12.5,-10 ccw(c-10,-10) -10,-12.5 -7.3,-12.5 ccw(c-7.3,-11.5) -6.593,-12.207 ; -9.098,3.3 ccw(c-9.098,4.3) -8.098,4.3 ; -8.1,4.3 -8.1,5 ccw(c-9.1,5) -9.1,6 -11.5,6 cw(c-11.5,7) -12.5,7 -12.5,10 cw(c-10,10) -10,12.5 -7.75,12.5 cw(c-7.75,12.25) -7.5,12.25 -7.5,12 ccw(c-6.5,12) -6.5,11 ccw(c-6.5,13.5) -5.7,11.131 ; -6.6,-12.21 -6.11,-11.718 ; -6.112,-11.716 cw(c-5.369,-12.385) -4.946,-11.479 ; -5.698,11.126 cw(c0,0) 4.947,11.48 ccw(c5.369,12.385) 6.112,11.716 ; -4.904,-11.498 ccw(c0,0) 4.947,-11.48 ; 4.946,-11.479 cw(c5.369,-12.385) 6.112,-11.716 ; 6.11,-11.718 6.6,-12.21 ; 6.11,11.718 6.6,12.21 ; 6.593,-12.207 ccw(c7.3,-11.5) 7.3,-12.5 10,-12.5 ccw(c10,-10) 12.5,-10 12.5,-7.3 ccw(c11.5,-7.3) 12.207,-6.593 ; 6.593,12.207 cw(c7.3,11.5) 7.3,12.5 10,12.5 cw(c10,10) 12.5,10 12.5,7.3 cw(c11.5,7.3) 12.207,6.593 ; 11.479,-4.946 ccw(c12.385,-5.369) 11.716,-6.112 ; 11.479,4.946 cw(c12.385,5.369) 11.716,6.112 ; 11.48,-4.947 ccw(c0,0) 11.48,4.947 ; 11.718,-6.11 12.21,-6.6 ; 11.718,6.11 12.21,6.6 ; 22.731,1.127 22.138,1.127 cw(c23,4) 20,4 20,40 cw(c23,40) 23,43 38.6,43 ccw(c38.6,46) 41.6,46 41.6,49 cw(c44.6,49) 44.6,52 68.6,52 cw(c68.6,49) 71.6,49 71.533,9.56 ; 22.731,1.128 ccw(c22.302,1.785) 22.992,1.411 ; 22.991,1.411 cw(c23.629,0.957) 23.629,1.74 24.78,1.739 cw(c24.78,0.957) 25.418,1.411 ccw(c26.107,1.785) 26.107,1.001 26.614,1 31.948,1 32.463,1 ccw(c32.463,1.785) 33.152,1.411 cw(c33.79,0.957) 33.79,1.74 34.94,1.739 cw(c34.94,0.957) 35.578,1.411 ccw(c36.267,1.785) 35.838,1.128 ; 35.838,1.127 36.431,1.127 ccw(c35.569,4) 38.569,4 38.569,5.9 cw(c39.569,5.9) 39.569,6.9 40.269,6.9 ; 40.269,6.902 cw(c40.269,5.902) 41.269,5.902 ; 41.269,1.8 41.269,5.9 ; 41.269,1.8 ccw(c42.069,1.8) 42.069,1 ; 42.069,1 47.069,1 ; 47.069,1 ccw(c47.069,1.8) 47.869,1.8 ; 47.869,1.799 47.869,5.9 cw(c48.869,5.9) 48.869,6.9 ; 48.869,6.901 50.269,6.9 ; 50.269,6.9 cw(c50.269,5.9) 51.269,5.9 51.269,1.8 ; 51.269,1.8 ccw(c52.069,1.8) 52.069,1 ; 52.069,1 57.069,1 ; 57.069,1 ccw(c57.069,1.8) 57.869,1.8 ; 57.869,1.799 57.869,5.9 cw(c58.869,5.9) 58.869,6.9 ; 58.869,6.902 60.269,6.901 ; 60.269,6.9 cw(c60.269,5.9) 61.269,5.9 61.269,1.8 ; 61.269,1.8 ccw(c62.069,1.8) 62.069,1 ; 62.069,1 67.069,1 ; 67.069,1 ccw(c67.069,1.8) 67.869,1.8 ; 67.869,1.799 67.869,5.9 cw(c68.869,5.9) 68.869,6.9 ccw(c68.869,9.56) 71.529,9.56
  text "Board Outline" at 37.725,-6.185 h1.7
Top Body:
  lines w0.2: 23,42.919 23,51.679 31,51.679 31,42.919 23,42.919 ; 32.925,45.762 32.925,51.962 39.625,51.962 39.625,45.762 32.925,45.762 ; 40.422,49.459 41.232,49.459 41.232,51.069 40.422,51.069 40.422,49.459 ; 52.697,49.134 52.7,50.75 53.5,50.75 53.507,49.134 52.697,49.134
Top Assy:
  text "Top Assy" at 15.701,-7.575 h1.7
Bottom Assy:
  text "Bottom Assy" at 15.7,-8.975 h1.7
Drill Drawing:
  text "Drill Drawing" at 24.3,-11.875 h1.7
Component Keepout Dwg:
  lines w0.01: -12.5,-7 cw(c-11.5,-7) -11.5,-6 -9.1,-6 ccw(c-9.1,-5) -8.1,-5 -8.1,-4.3 ccw(c-9.1,-4.3) -9.1,-3.3 -13.2,-3.3 cw(c-13.2,-2.5) -14,-2.5 -14,2.5 cw(c-13.2,2.5) -13.2,3.3 -9.1,3.3 ccw(c-9.1,4.3) -8.1,4.3 -8.1,5 ccw(c-9.1,5) -9.1,6 -11.5,6 cw(c-11.5,7) -12.5,7
  lines w0.025: -12.5,-7.018 -12.5,-10 ccw(c-10,-10) -10,-12.5 -7.729,-12.5 10,-12.5 ccw(c10,-10) 12.5,-10 12.5,-7.554 ; -12.5,7.003 -12.5,10 cw(c-10,10) -10,12.5 -7.729,12.5 ; -7.75,12.5 cw(c-7.75,12.25) -7.5,12.25 -7.5,12 ccw(c-6.5,12) -6.656,11.012 ; -6.65,11.015 cw(c-10,10) -7,8.197 -7,-8.197 cw(c-10,-10) -6.646,-11 6.646,-11 cw(c10,-10) 12.503,-7.554 ; 12.5,7.554 12.5,10 ccw(c10,10) 10,12.5 -5.25,12.5 ccw(c-5.25,12.25) -5.5,12.25 -5.5,12 cw(c-6.5,12) -6.5,11 6.646,11 ccw(c10,10) 12.503,7.554 ; 46.303,8 62.697,8
  text "Component Keepout" at 37.726,-10.497 h1.7
Routing Keepout Dwg:
  lines w0.01: -13.6,-2.468 ccw(c-13.2,-2.468) -13.2,-2.868 -9.3,-2.868 -9.3,2.874 -13.198,2.874 ; -13.6,-2.466 -13.6,2.477 ; -13.6,2.474 cw(c-13.2,2.474) -13.2,2.874
  lines w0.025: -12.5,8.342 ccw(c-10,10) -8.342,12.5 ; -12.5,10 cw(c-10,10) -10,12.5 -8.342,12.5 ; 12.5,8.342 12.5,10 ccw(c10,10) 10,12.5 8.342,12.5 ccw(c10,10) 12.5,8.342 ; -12.5,-10 ccw(c-10,-10) -10,-12.5 -8.342,-12.5 ccw(c-10,-10) -12.5,-8.342 -12.5,-10 ; 8.342,-12.5 cw(c10,-10) 12.5,-8.342 12.5,-10 cw(c10,-10) 10,-12.5 8.342,-12.5
  text "Routing Keepout" at 37.8,-11.875 h1.7

## Text inside footprints (layer, text, board x,y; h text height)
EC1: Mechanical 9 "Jacdac / cable connector  / body" at 69.39,-3.158 h1.7 r180
EC2: Mechanical 9 "Jacdac / cable connector  / body" at 59.39,-3.158 h1.7 r180
EC3: Mechanical 9 "Jacdac / cable connector  / body" at 49.39,-3.158 h1.7 r180
J10: Top Layer "0" at 21.845,1.993 h2.3; Top Solder "0" at 21.721,1.993 h2.3
J11: Top Layer "1" at 32.005,1.993 h2.3; Top Solder "1" at 31.881,1.993 h2.3